# Allegro board FMDEMOD-before-back-annote.brd (continued)
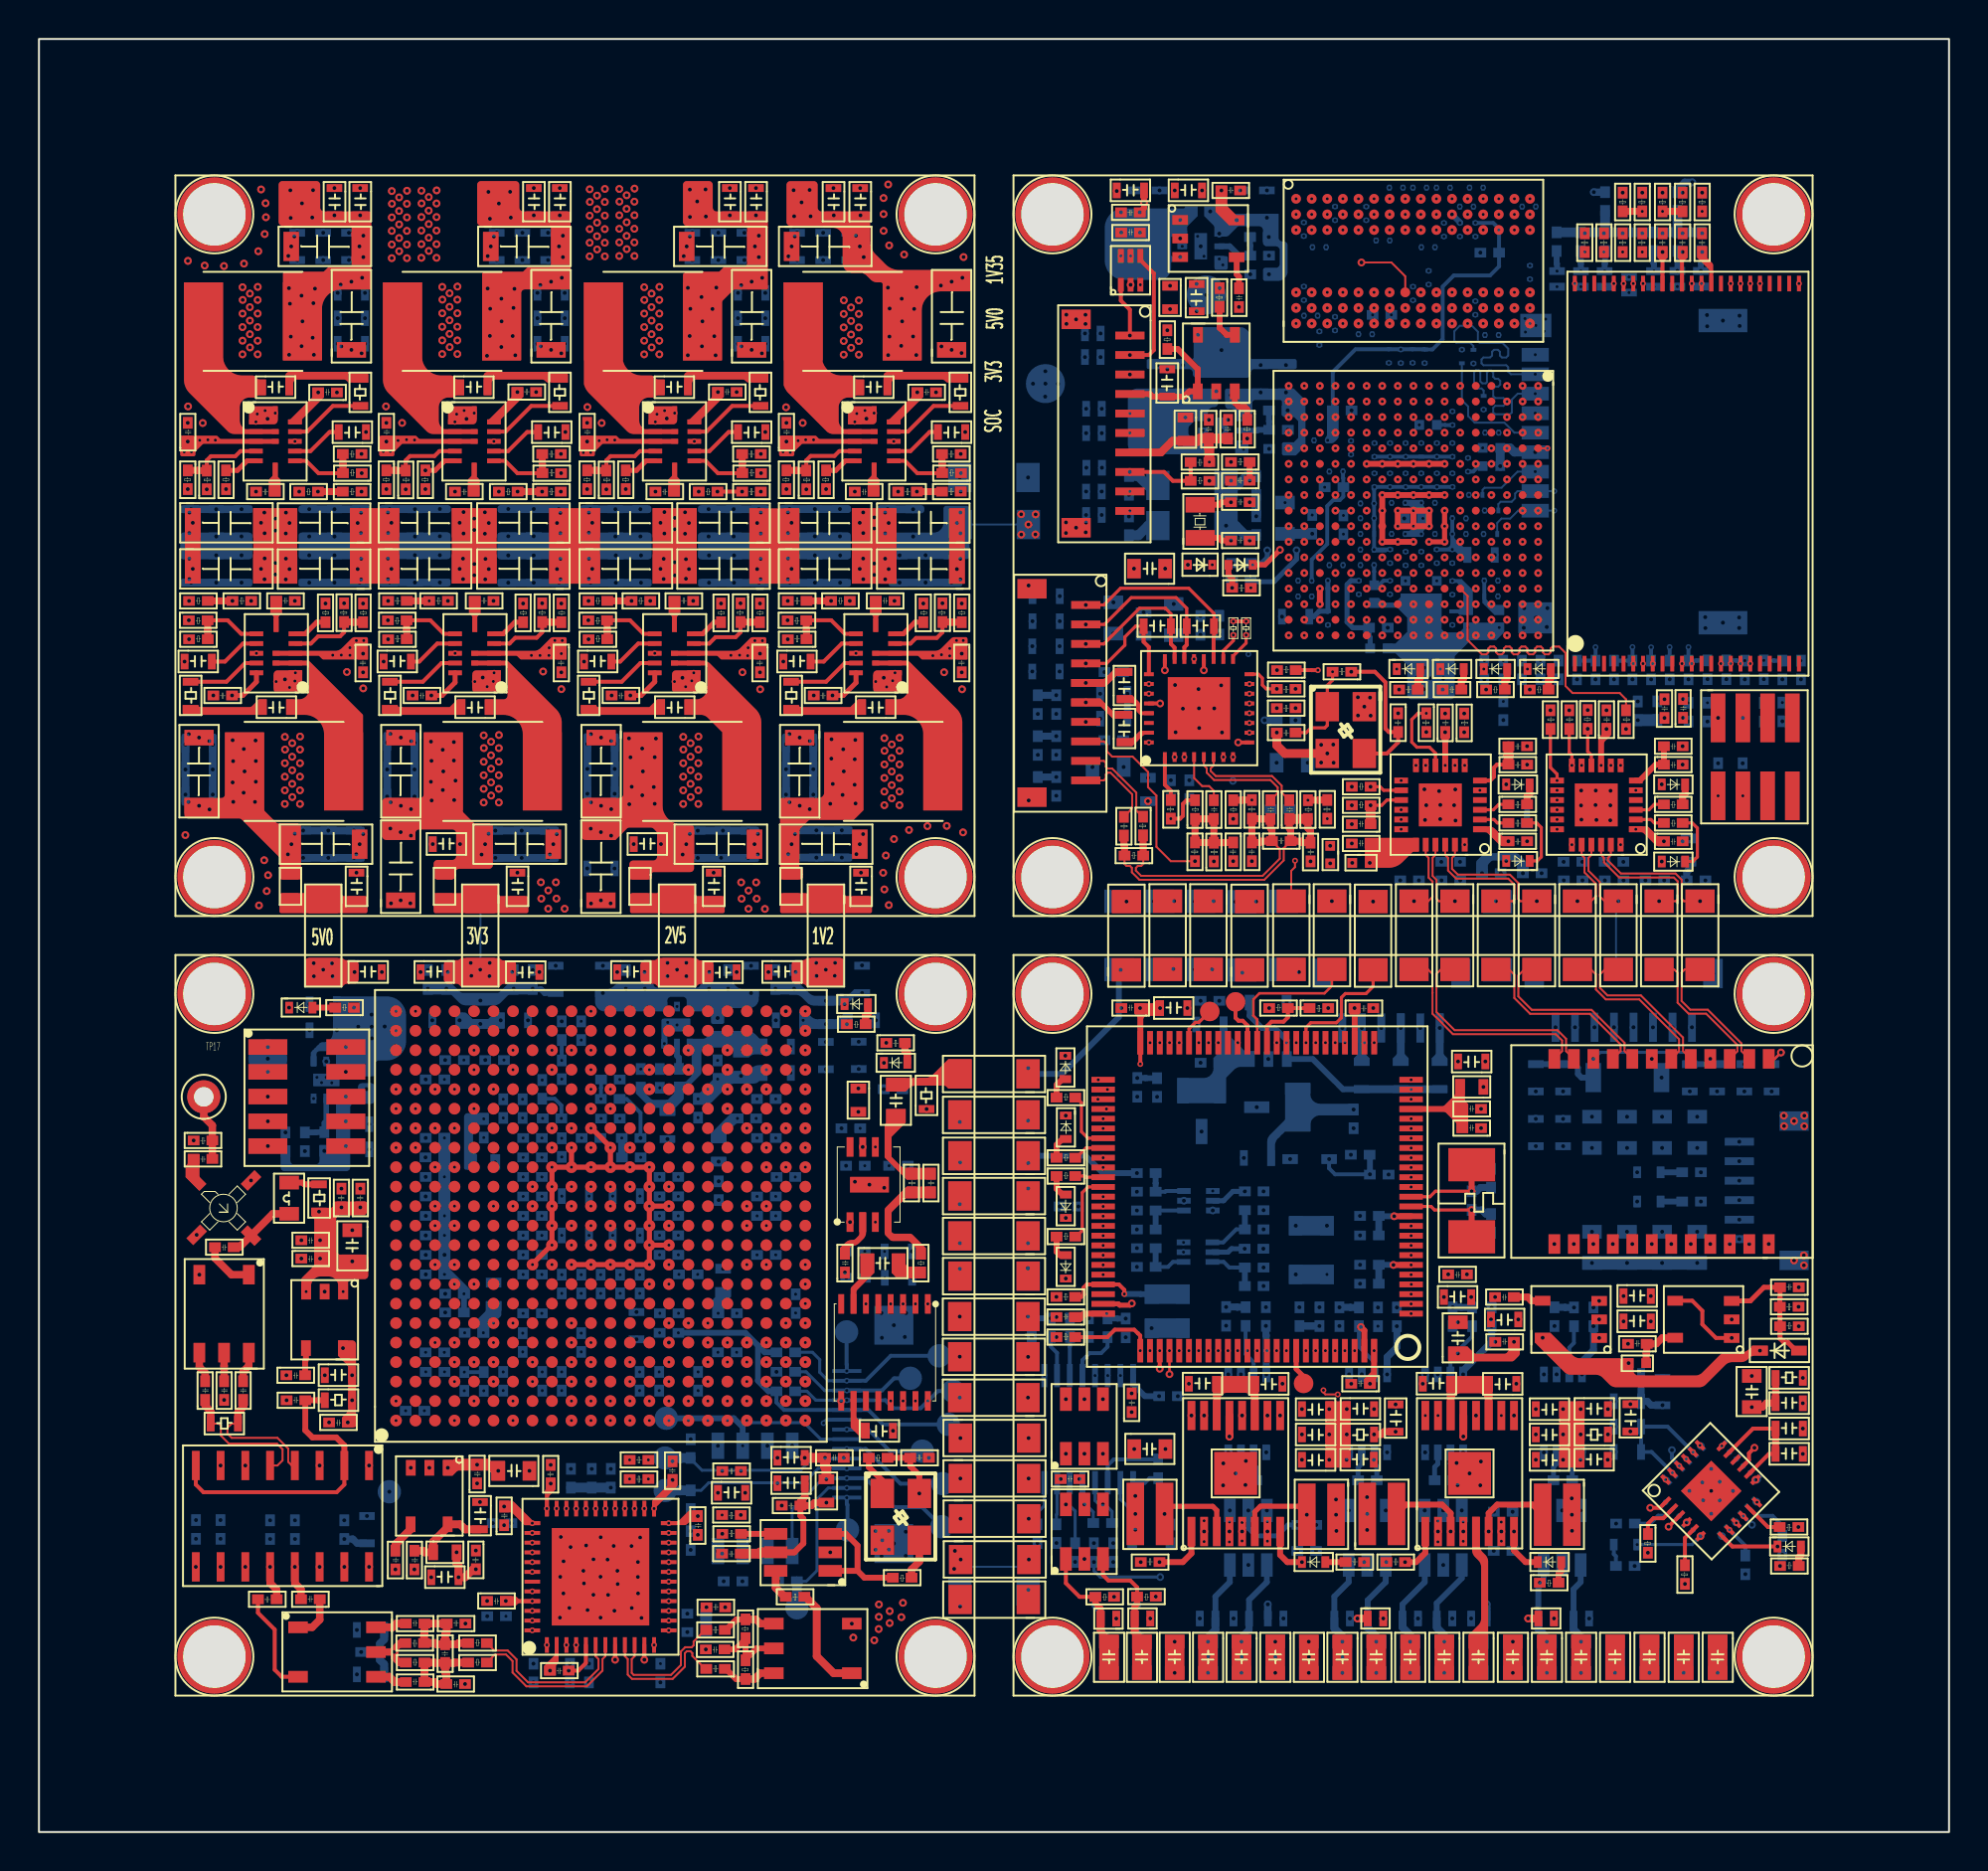
[diagram p0: board, top side]
## Routing (per net, layer and track width the routed paths; a pad name or vN(x,y) marks a point on that pad's centre or on a via; arc(x,y) is an arc through that point) (continued)
  SIGNAL-L3 w0.2: v8(59.31,49.81) 56.44,49.81 55.8,49.17 v8(55.8,47.74)
MIC1P: length 2.8
  TOP w0.1: C175.2 60.28,53.42 60.04,53.66 59.68,53.66 59.27,54.08 U24.4
MIC2N: length 5.6
  TOP w0.1: U24.5 59.77,54.73 59.91,54.58 59.91,54.35 60.29,53.98 63.18,53.98 63.56,53.6 63.56,53.31 C188.2
MIC2N_IN: length 4.8
  TOP w0.1: J13.9 54.64,54.96 54.74,54.86 54.74,54.66 54.84,54.56 55.07,54.56 56.3,53.33 56.3,52.41 56.62,52.1 R325.1
MIC2N_IN2: length 15.4
  TOP w0.1: C182.2 63.66,50.44 63.66,49.94 62.78,49.06 56.55,49.06 56.28,49.33 56.28,49.47 56.38,49.57 56.56,49.57 56.66,49.67 R324.1
  TOP w0.36: R325.2 56.65,50.66 56.66,50.65 R324.1 ; C189.1 R193.2 62.66,51.99 62.67,51.98 C188.1 63.19,51.51 63.26,51.43 C182.2 62.73,50.84 62.66,50.77 C189.1
MIC2P: length 5.6
  TOP w0.1: U24.6 60.27,54.73 60.12,54.58 60.12,54.44 60.38,54.18 63.27,54.18 63.76,53.69 63.76,53.34 C179.2
MIC2P_IN: length 4.5
  TOP w0.1: J13.10 54.64,53.96 54.74,54.06 54.74,54.26 54.84,54.36 54.98,54.36 56.09,53.24 56.09,52.51 55.99,52.41 55.99,52.41 R326.2
MIC2P_IN2: length 16.1
  TOP w0.1: R324.2 55.7,49.67 55.8,49.57 55.98,49.57 56.08,49.47 56.08,49.24 56.46,48.86 62.87,48.86 63.86,49.85 63.86,50.48 C182.1
  TOP w0.36: R324.2 55.7,50.62 55.66,50.65 R326.1 ; R187.1 65.11,51.51 65.24,51.37 C177.2 64.81,50.76 64.74,50.84 C182.1 64.22,51.44 64.15,51.51 C179.1
  TOP w0.5: C179.1 R187.1
MICBIAS: length 2.3
  TOP w0.2: R185.1 58.07,53.43 57.77,53.73 U24.1
MSEL0: length 2.7
  SIGNAL-L3 w0.15: v5(29.9,35.61) 29.9,36.05 29.32,36.63 v9(29.32,37.11)
  BOTTOM w0.38: R376.2 29.9,34.62 v5(29.9,35.61)
MSEL1: length 1.7
  SIGNAL-L3 w0.2: v5(28.83,37.62) 28.82,37.62 v9(28.32,38.11)
  BOTTOM w0.2: v5(28.83,37.62) 28.83,38.18 28.84,38.19 R379.2
MSEL2: length 3.5
  SIGNAL-L3 w0.2: v5(26.8,36.62) 27.38,36.62 27.88,37.11 v9(28.32,37.11)
  BOTTOM w0.2: R380.1 26.46,37.62 26.8,37.28 v5(26.8,36.62)
MSEL3: length 1.8
  SIGNAL-L3 w0.2: v9(27.32,40.11) 27.32,40.1 26.82,39.6 v5(26.82,39.59)
  BOTTOM w0.2: v5(26.82,39.59) 26.82,40.07 26.82,40.07 R383.2
NAND_ALE: length 27.1
  SIGNAL-L4 w0.1: v15(86.8,59.95) 86.41,59.56 85.96,59.56 85.73,59.8 85.73,67.9 85.48,68.14 85.48,68.29 85.61,68.42 85.61,68.56 85.47,68.7 85.33,68.7 84.92,68.29 84.78,68.29 84.64,68.44 84.64,68.58 85.05,68.99 85.05,69.13 84.91,69.27 84.76,69.27 84.36,68.86 84.21,68.86 84.07,69 84.07,69.14 84.48,69.55 84.48,69.69 84.34,69.83 84.2,69.83 83.79,69.43 83.65,69.43 83.51,69.57 83.51,69.71 83.92,70.12 83.92,70.26 83.77,70.4 83.63,70.4 83.22,69.99 83.08,69.99 82.94,70.13 82.94,70.27 83.35,70.68 83.35,70.82 83.21,70.97 83.07,70.97 82.66,70.56 82.52,70.56 82.38,70.7 82.38,70.84 82.51,70.97 82.51,71.11 82.24,71.38 76.54,71.38 v15(76.12,71.8)
NAND_CLE: length 27.8
  SIGNAL-L4 w0.1: v15(86.3,59.95) 86.3,61.34 86.96,61.99 86.96,62.48 86.86,62.58 86.4,62.58 86.3,62.68 86.3,62.88 86.4,62.98 86.86,62.98 86.96,63.08 86.96,63.28 86.86,63.38 86.4,63.38 86.3,63.48 86.3,63.68 86.4,63.78 86.86,63.78 86.96,63.88 86.96,64.08 86.86,64.18 86.4,64.18 86.3,64.28 86.3,64.48 86.4,64.58 86.86,64.58 86.96,64.68 86.96,64.88 86.86,64.98 86.4,64.98 86.3,65.08 86.3,65.28 86.4,65.38 86.86,65.38 86.96,65.48 86.96,65.68 86.86,65.78 86.4,65.78 86.3,65.88 86.3,66.08 86.4,66.18 86.86,66.18 86.96,66.28 86.96,66.48 86.86,66.58 86.4,66.58 86.3,66.68 86.3,66.88 86.4,66.98 86.86,66.98 86.96,67.08 86.96,67.28 86.86,67.38 86.4,67.38 86.3,67.48 86.3,67.68 86.4,67.78 86.86,67.78 86.96,67.88 86.96,68.08 86.86,68.18 86.4,68.18 86.3,68.28 86.3,68.78 83.28,71.8 v15(76.92,71.8)
NAND_D0: length 28
  SIGNAL-L3 w0.1: v9(88.3,79.45) 88.3,78.71 88.4,78.61 89.13,78.61 89.23,78.51 89.23,78.31 89.13,78.21 88.4,78.21 88.3,78.11 88.3,77.91 88.4,77.81 89.13,77.81 89.23,77.71 89.23,77.51 89.13,77.41 88.4,77.41 88.3,77.31 88.3,77.11 88.4,77.01 89.13,77.01 89.23,76.91 89.23,76.71 89.13,76.61 88.4,76.61 88.3,76.51 88.3,76.31 88.4,76.21 89.13,76.21 89.23,76.11 89.23,75.91 89.13,75.81 88.4,75.81 88.3,75.71 88.3,74.8 81.93,68.43 76.26,68.43 75.66,69.02 74.9,69.02 v9(74.52,69.4)
NAND_D1: length 28.1
  SIGNAL-L3 w0.1: v9(76.12,69.4) 76.66,68.86 80.56,68.86 81.18,69.49 81.32,69.49 81.47,69.34 81.61,69.34 81.75,69.48 81.75,69.62 81.32,70.06 81.32,70.2 81.46,70.34 81.6,70.34 82.03,69.9 82.18,69.9 82.32,70.05 82.32,70.19 81.88,70.62 81.88,70.76 82.02,70.9 82.17,70.9 82.31,70.76 82.45,70.76 83.19,71.49 83.19,71.64 83,71.82 83,71.96 83.14,72.11 83.28,72.11 83.8,71.59 83.94,71.59 84.08,71.73 84.08,71.87 83.57,72.39 83.57,72.53 83.71,72.67 83.85,72.67 84.37,72.16 84.51,72.16 84.65,72.3 84.65,72.44 84.13,72.95 84.13,73.1 84.27,73.24 84.42,73.24 84.93,72.72 85.07,72.72 85.22,72.86 85.22,73 84.7,73.52 84.7,73.66 84.84,73.8 84.98,73.8 85.5,73.29 85.64,73.29 85.78,73.43 85.78,73.57 85.26,74.09 85.26,74.23 85.41,74.37 85.55,74.37 85.74,74.18 85.88,74.18 87.79,76.09 87.79,78.68 87.8,78.69 v9(87.8,79.45)
NAND_D2: length 28.6
  SIGNAL-L3 w0.1: v9(76.92,69.4) 79.59,69.4 80.31,70.12 80.31,70.26 80.04,70.53 80.04,70.67 80.19,70.81 80.33,70.81 80.59,70.54 80.73,70.54 80.88,70.69 80.88,70.83 80.61,71.09 80.61,71.23 80.75,71.38 80.89,71.38 81.16,71.11 81.3,71.11 81.44,71.25 81.44,71.39 81.18,71.66 81.18,71.8 81.32,71.94 81.46,71.94 81.72,71.68 81.87,71.68 82.11,71.92 82.11,72.06 81.78,72.39 81.78,72.53 81.92,72.67 82.06,72.67 82.39,72.34 82.53,72.34 82.67,72.48 82.67,72.62 82.34,72.96 82.34,73.1 82.48,73.24 82.62,73.24 82.96,72.91 83.1,72.91 83.53,73.34 83.53,73.49 83.15,73.87 83.15,74.01 83.29,74.15 83.43,74.15 83.82,73.77 83.96,73.77 84.18,73.99 84.18,74.14 83.11,75.21 83.11,75.35 83.26,75.49 83.4,75.49 84.47,74.42 84.61,74.42 85.36,75.17 85.36,75.31 84.83,75.83 84.83,75.97 84.97,76.11 85.12,76.11 85.64,75.59 85.78,75.59 85.92,75.73 85.92,75.87 85.4,76.4 85.4,76.54 85.54,76.68 85.68,76.68 86.2,76.16 86.35,76.16 87.3,77.11 v9(87.3,79.45)
NAND_D3: length 27.8
  SIGNAL-L3 w0.1: v9(86.8,79.45) 86.8,78.66 85.95,77.81 85.94,77.81 85.84,77.71 85.84,77.23 85.74,77.13 85.54,77.13 85.44,77.23 85.44,77.71 85.34,77.81 85.14,77.81 85.04,77.71 85.04,77.23 84.94,77.13 84.74,77.13 84.64,77.23 84.64,77.71 84.54,77.81 84.34,77.81 84.24,77.71 84.24,77.23 84.14,77.13 83.94,77.13 83.84,77.23 83.84,77.71 83.74,77.81 83.51,77.81 83.33,77.63 83.18,77.63 82.78,78.03 82.64,78.03 82.5,77.89 82.5,77.74 82.9,77.34 82.9,77.2 82.76,77.06 82.62,77.06 82.22,77.46 82.08,77.46 81.94,77.32 81.94,77.18 82.34,76.78 82.34,76.5 82.44,76.4 84.07,76.4 84.17,76.3 84.17,76.1 84.07,76 82.6,76 82.34,75.74 82.34,73.99 78.16,69.81 74.91,69.81 v9(74.52,70.2)
NAND_D4: length 28.4
  SIGNAL-L7 w0.1: v13(82.3,79.45) 82.3,79.12 82.64,78.79 82.97,78.79 83.21,78.54 83.21,77.77 83.52,77.45 83.52,77.12 83.62,77.02 83.94,77.02 84.04,76.92 84.04,76.72 83.94,76.62 83.76,76.62 83.66,76.52 83.66,76.32 83.76,76.22 84.07,76.22 84.17,76.12 84.17,75.92 84.07,75.82 83.73,75.82 83.63,75.72 83.63,75.52 83.73,75.42 84.07,75.42 84.17,75.32 84.17,75.12 84.07,75.02 83.62,75.02 83.52,74.92 83.52,74.72 83.62,74.62 84.07,74.62 84.17,74.52 84.17,74.32 84.07,74.22 83.62,74.22 83.52,74.12 83.52,73.92 83.62,73.82 84.07,73.82 84.17,73.72 84.17,73.52 84.07,73.42 83.62,73.42 83.52,73.32 83.52,73.12 83.62,73.02 84.07,73.02 84.17,72.92 84.17,72.72 84.07,72.62 83.62,72.62 83.52,72.52 83.52,72.32 83.62,72.22 84.07,72.22 84.17,72.12 84.17,71.92 84.07,71.82 83.62,71.82 83.52,71.72 83.52,71.06 83.13,70.67 82.99,70.67 82.78,70.87 82.64,70.87 82.5,70.73 82.5,70.59 83.05,70.04 83.05,69.9 82.91,69.76 82.77,69.76 82.22,70.31 82.08,70.31 81.93,70.17 81.93,70.03 82.14,69.82 82.14,69.68 81.42,68.97 78.45,68.97 78.12,69.31 77.5,69.31 77.13,68.93 75.99,68.93 75.77,69.15 75.77,69.15 75.32,69.6 v13(75.32,70.2)
NAND_D5: length 28.8
  SIGNAL-L7 w0.1: v13(81.8,79.45) 81.8,79.23 82.02,79.01 82.02,78.75 81.8,78.53 81.8,77.72 81.9,77.62 82.64,77.62 82.74,77.52 82.74,77.32 82.64,77.22 81.9,77.22 81.8,77.12 81.8,76.92 81.9,76.82 82.64,76.82 82.74,76.72 82.74,76.52 82.64,76.42 81.9,76.42 81.8,76.32 81.8,76.12 81.9,76.02 82.64,76.02 82.74,75.92 82.74,75.72 82.64,75.62 81.9,75.62 81.8,75.52 81.8,75.32 81.9,75.22 82.64,75.22 82.74,75.12 82.74,74.92 82.64,74.82 81.9,74.82 81.8,74.72 81.8,74.52 81.9,74.42 82.64,74.42 82.74,74.32 82.74,74.12 82.64,74.02 81.9,74.02 81.8,73.92 81.8,73.72 81.9,73.62 82.64,73.62 82.74,73.52 82.74,73.32 82.64,73.22 81.9,73.22 81.8,73.12 81.8,72.92 81.9,72.82 82.64,72.82 82.74,72.72 82.74,72.52 82.64,72.42 81.9,72.42 81.8,72.32 81.8,72.12 81.9,72.02 82.64,72.02 82.74,71.92 82.74,71.72 82.64,71.62 81.9,71.62 81.8,71.52 81.8,71.05 80.56,69.8 77.47,69.8 77.09,69.42 76.29,69.42 76.12,69.59 v13(76.12,70.2)
NAND_D6: length 27.6
  SIGNAL-L7 w0.1: v13(76.92,70.2) 77.15,70.43 79.01,70.43 79.68,71.11 79.68,71.4 79.78,71.5 80.64,71.5 80.74,71.6 80.74,71.8 80.64,71.9 79.78,71.9 79.68,72 79.68,72.2 79.78,72.3 80.64,72.3 80.74,72.4 80.74,72.6 80.64,72.7 79.78,72.7 79.68,72.8 79.68,73 79.78,73.1 80.64,73.1 80.74,73.2 80.74,73.4 80.64,73.5 79.78,73.5 79.68,73.6 79.68,73.8 79.78,73.9 80.64,73.9 80.74,74 80.74,74.2 80.64,74.3 79.78,74.3 79.68,74.4 79.68,74.6 79.78,74.7 80.64,74.7 80.74,74.8 80.74,75 80.64,75.1 79.78,75.1 79.68,75.2 79.68,75.4 79.78,75.5 80.64,75.5 80.74,75.6 80.74,75.8 80.64,75.9 79.78,75.9 79.68,76 79.68,76.2 79.78,76.3 80.64,76.3 80.74,76.4 80.74,76.6 80.64,76.7 79.78,76.7 79.68,76.8 79.68,77 79.78,77.1 80.64,77.1 80.74,77.2 80.74,77.4 80.64,77.5 79.78,77.5 79.68,77.6 79.68,77.95 79.95,78.22 80.66,78.22 81.12,78.68 81.12,78.99 81.3,79.17 v13(81.3,79.45)
NAND_D7: length 27.2
  TOP w0.1: U19.A5 v13(77.4,71)
  SIGNAL-L7 w0.1: v13(80.8,79.45) 80.8,79.12 80.35,78.68 79.36,78.68 79.04,78.35 79.04,77.83 78.94,77.73 77.9,77.73 77.8,77.63 77.8,77.43 77.9,77.33 78.94,77.33 79.04,77.23 79.04,77.03 78.94,76.93 77.9,76.93 77.8,76.83 77.8,76.63 77.9,76.53 78.94,76.53 79.04,76.43 79.04,76.23 78.94,76.13 77.9,76.13 77.8,76.03 77.8,75.83 77.9,75.73 78.94,75.73 79.04,75.63 79.04,75.43 78.94,75.33 77.9,75.33 77.8,75.23 77.8,75.03 77.9,74.93 78.94,74.93 79.04,74.83 79.04,74.63 78.94,74.53 77.9,74.53 77.8,74.43 77.8,74.23 77.9,74.13 78.94,74.13 79.04,74.03 79.04,73.83 78.94,73.73 77.9,73.73 77.8,73.63 77.8,73.43 77.9,73.33 78.94,73.33 79.04,73.23 79.04,73.03 78.94,72.93 77.9,72.93 77.8,72.83 77.8,72.63 77.9,72.53 78.94,72.53 79.04,72.43 79.04,71.78 78.26,71 v13(77.4,71)
NAND_DQS: length 27.3
  SIGNAL-L3 w0.1: v9(73.72,70.2) 74.11,70.59 77.7,70.59 79.88,72.76 79.88,72.91 78.92,73.87 78.92,74.01 79.06,74.16 79.2,74.16 80.16,73.19 80.31,73.19 80.45,73.33 80.45,73.47 79.48,74.44 79.48,74.58 79.62,74.72 79.76,74.72 80.73,73.75 80.87,73.75 81.01,73.9 81.01,74.04 80.05,75 80.05,75.15 80.19,75.29 80.33,75.29 81.3,74.32 81.44,74.32 81.58,74.46 81.58,74.6 80.61,75.57 80.61,77.04 82.16,78.58 84.89,78.58 85.3,79 v9(85.3,79.45)
NAND_NCE0: length 30.3
  SIGNAL-L4 w0.1: v13(82.8,59.95) 82.8,60.44 83.48,61.12 83.48,61.35 83.38,61.45 82.9,61.45 82.8,61.55 82.8,61.75 82.9,61.85 83.38,61.85 83.48,61.95 83.48,62.15 83.38,62.25 82.9,62.25 82.8,62.35 82.8,65.08 82.9,65.18 83.52,65.18 83.62,65.28 83.62,65.48 83.52,65.58 82.9,65.58 82.8,65.68 82.8,65.88 82.9,65.98 83.52,65.98 83.62,66.08 83.62,66.28 83.52,66.38 82.9,66.38 82.8,66.48 82.8,66.84 82.39,67.25 82.39,67.39 82.89,67.89 82.89,68.03 82.75,68.17 82.61,68.17 82.11,67.67 81.97,67.67 81.83,67.81 81.83,67.95 82.32,68.45 82.32,68.59 82.18,68.74 82.04,68.74 81.54,68.24 81.4,68.24 81.26,68.38 81.26,68.52 81.76,69.02 81.76,69.16 81.62,69.3 81.48,69.3 80.98,68.8 80.84,68.8 80.69,68.94 80.69,69.09 81.19,69.58 81.19,69.73 81.05,69.87 80.91,69.87 80.41,69.37 80.27,69.37 79.83,69.81 75.98,69.81 75.72,70.07 75.72,70.6 v15(75.32,71)
  SIGNAL-L7 w0.1: v19(83.03,58.02) 83.03,58.45 82.89,58.59 82.49,58.59 82.17,58.92 82.17,59.37 82.49,59.69 82.54,59.69 v13(82.8,59.95)
NAND_NRDY: length 30.3
  SIGNAL-L4 w0.1: v13(81.8,59.95) 81.8,59.57 81.98,59.39 83.1,59.39 84.08,60.37 84.08,62.67 84.18,62.77 84.88,62.77 84.98,62.87 84.98,63.07 84.88,63.17 84.18,63.17 84.08,63.27 84.08,63.47 84.18,63.57 84.88,63.57 84.98,63.67 84.98,63.87 84.88,63.97 84.18,63.97 84.08,64.07 84.08,64.27 84.18,64.37 84.88,64.37 84.98,64.47 84.98,64.67 84.88,64.77 84.18,64.77 84.08,64.87 84.08,67.84 81.35,70.56 76.39,70.56 75.77,71.18 75.77,72.04 75.98,72.25 76.56,72.25 v15(76.92,72.6)
  SIGNAL-L7 w0.1: v13(81.8,59.95) 81.92,59.83 81.92,59.52 81.6,59.52 81.38,59.3 81.38,58.99 81.6,58.77 81.99,58.77 82.19,58.57 82.03,58.41 v14(82.03,58.01)
NAND_NRE: length 27.7
  SIGNAL-L4 w0.1: v15(82.3,59.95) 82.3,61.3 82.2,61.4 81.57,61.4 81.47,61.5 81.47,61.7 81.57,61.8 82.2,61.8 82.3,61.9 82.3,62.1 82.2,62.2 81.57,62.2 81.47,62.3 81.47,62.5 81.57,62.6 82.2,62.6 82.3,62.7 82.3,62.9 82.2,63 81.57,63 81.47,63.1 81.47,63.3 81.57,63.4 82.2,63.4 82.3,63.5 82.3,63.7 82.2,63.8 81.57,63.8 81.47,63.9 81.47,64.1 81.57,64.2 82.2,64.2 82.3,64.3 82.3,64.97 81.5,65.76 81.5,65.9 81.99,66.39 81.99,66.53 81.85,66.67 81.71,66.67 81.22,66.19 81.08,66.19 80.71,66.55 80.71,66.7 81.06,67.04 81.06,67.18 80.92,67.32 80.77,67.32 80.43,66.98 80.29,66.98 80.15,67.12 80.15,67.26 80.49,67.61 80.49,67.75 80.35,67.89 80.21,67.89 79.86,67.54 79.72,67.54 79.44,67.83 79.44,67.97 80,68.53 80,68.67 79.85,68.81 79.71,68.81 79.15,68.26 79.01,68.26 78.87,68.4 78.87,68.54 79.43,69.1 79.43,69.24 79.29,69.38 79.15,69.38 78.59,68.82 78.45,68.82 78.22,69.04 74.96,69.04 v15(74.52,68.6)
NAND_NWE: length 27.9
  SIGNAL-L4 w0.1: v15(75.32,68.6) 75.65,68.27 78.38,68.27 78.58,68.07 78.58,67.93 78.34,67.68 78.34,67.54 78.48,67.4 78.62,67.4 78.87,67.64 79.01,67.64 79.15,67.5 79.15,67.36 78.91,67.12 78.91,66.98 79.05,66.83 79.19,66.83 79.43,67.08 79.57,67.08 79.72,66.94 79.72,66.79 79.47,66.55 79.47,66.41 79.61,66.27 79.76,66.27 80,66.51 80.14,66.51 80.28,66.37 80.28,66.23 80.04,65.99 80.04,65.84 80.18,65.7 80.32,65.7 80.56,65.95 80.71,65.95 80.99,65.66 80.99,65.13 81.09,65.03 81.72,65.03 81.82,64.93 81.82,64.73 81.72,64.63 81.09,64.63 80.99,64.53 80.99,63.33 80.81,63.14 80.81,63 80.94,62.87 81.05,62.87 81.1,62.82 81.1,62.53 81.05,62.47 80.94,62.47 80.88,62.42 80.88,62.13 80.94,62.07 81.05,62.07 81.1,62.02 81.1,61.73 81.05,61.67 80.94,61.67 80.88,61.62 80.88,61.33 80.94,61.27 81.05,61.27 81.1,61.22 81.1,60.93 81.05,60.87 80.94,60.87 80.88,60.82 80.88,60.53 80.94,60.47 81.05,60.47 81.1,60.42 81.1,60.13 80.99,60.02 80.99,59.38 81.77,58.6 81.91,58.6 81.92,58.59 82.35,58.59 82.45,58.69 82.45,58.86 82.55,58.96 82.75,58.96 82.85,58.86 82.85,58.69 82.95,58.59 83.15,58.59 83.25,58.69 83.25,58.86 83.35,58.96 83.55,58.96 83.65,58.86 83.65,58.69 83.75,58.59 86.77,58.59 87.3,59.12 v15(87.3,59.95)
NAND_NWP: length 26.6
  SIGNAL-L4 w0.1: 87.54,58.38 87.42,58.26 85.42,58.26 84.89,57.72 84.13,57.72 84.12,57.71 81.83,57.71 80.39,59.15 80.39,64.85 77.86,67.39 75.55,67.39 74.79,68.16 74.13,68.16 73.95,68.33 73.95,68.84 74.52,69.4 v15(74.52,71) ; 87.54,58.38 87.8,58.64 v15(87.8,59.95) ; 87.54,58.38 v23(87.54,57.94)
NCE: length 26.7
  SIGNAL-L4 w0.1: v15(28.32,23.11) 28.62,23.41 35.67,23.41 37.23,21.85 37.23,19.46 38.02,18.67 40.64,18.67 41.12,19.16 v23(41.45,19.16)
  BOTTOM w0.15: R232.1 33.44,19.14 34.02,18.56 39.08,18.56 39.67,19.16 v23(41.45,19.16)
  BOTTOM w0.5: TP36.1 32.9,19.19 32.9,19.19 R232.1
NCONFIG: length 36.3
  SIGNAL-L8 w0.1: v17(27.32,25.11) 26.72,25.71 26.72,26.74 27.32,27.34 40.38,27.34 42.93,24.79 42.93,19.5 42.08,18.66 v7(41.45,18.66)
  BOTTOM w0.15: R230.1 33.97,17.53 34.36,17.92 39.24,17.92 39.98,18.66 v7(41.45,18.66)
  BOTTOM w0.5: R230.1 32.91,17.53 32.91,17.52 TP37.1
NCSO: length 32.3
  SIGNAL-L8 w0.1: v7(41.45,18.16) 35.19,18.16 33.68,19.67 27.19,19.67 25.01,21.85 22.58,21.85 v17(22.32,22.11)
  BOTTOM w0.15: v7(41.45,18.16) 40.25,18.16 38.65,16.55 U35.1
  BOTTOM w0.2: TP38.1 45.31,16.67 43.89,16.67 42.4,18.16 v7(41.45,18.16)
NFAULT12: length 14.5
  TOP w0.3: v10(64.8,13.85) 64.05,13.85 63.68,14.22 U7.8
  SIGNAL-L4 w0.1: v15(62,24.7) 62,24.2 64.38,21.82 64.38,15.32 64.8,14.91 v10(64.8,13.85)
NFAULT34: length 22
  TOP w0.3: v10(75.68,15.42) 75.68,14.44 76.27,13.85 D13.1
  SIGNAL-L4 w0.1: v15(63,24.7) 63,24.37 65.49,21.88 65.49,19.14 66.34,18.29 68.88,18.29 69.72,17.44 69.72,16.43 71.29,14.87 75.5,14.87 75.68,15.04 v10(75.68,15.42)
NRST_CPU: length 29
  TOP w0.3: R133.1 v18(62.12,69.34)
  SIGNAL-L3 w0.1: v8(68.45,47.74) 68.45,48.43 67.97,48.91 67.15,48.91 66.75,49.31 66.75,52.74 65.09,54.4 65.09,60.85 65.35,61.11 65.35,65.88 65.96,66.48 65.96,68.04 v13(66.52,68.6)
  SIGNAL-L7 w0.1: v13(66.52,68.6) 66.09,69.03 63.15,69.03 62.85,69.34 v18(62.12,69.34)
NRST_FPGA: length 9.8
  SIGNAL-L3 w0.1: 46.87,27.95 39.81,27.95 39.65,28.11 v9(39.32,28.11) ; 46.87,27.95 46.87,26.82 v8(47.24,26.45) ; 46.87,27.95 47.03,27.95 v12(47.26,28.17)
NRST_MCU: length 39.6
  SIGNAL-L3 w0.1: v9(70.4,33.1) 68.94,33.1 68.56,33.48 68.55,33.48 v12(68.29,33.75)
  SIGNAL-L4 w0.1: v10(50.74,28.93) 51.32,28.93 53.78,31.39 53.78,34.75 54.37,35.34 65.38,35.34 v16(66.19,34.53)
  SIGNAL-L8 w0.1: v12(68.29,33.75) 74.51,39.96 v6(74.51,44.24)
  BOTTOM w0.2: v12(68.29,33.75) 66.5,33.75 66.19,34.05 v16(66.19,34.53)
  BOTTOM w0.3: v12(68.29,33.75) 68.29,34.73 C5.2
  vias: v21(75.12,44.23)
NSLEEP12: length 18.9
  TOP w0.3: v10(57.49,13.85) 58.69,13.85 59.13,14.29 U7.1
  SIGNAL-L4 w0.1: v15(54.6,28.6) 55.17,28.02 55.17,19.52 57.03,17.66 57.03,14.31 v10(57.49,13.85)
NSLEEP34: length 17.7
  TOP w0.3: v10(70.09,13.85) 70.65,13.85 71.13,14.33 U14.1
  SIGNAL-L4 w0.1: v10(70.09,13.85) 70.09,14.63 68.86,15.87 68.86,17.2 68.16,17.9 65.85,17.9 65.07,18.68 65.07,21.71 62.5,24.27 v15(62.5,24.7)
NSTATUS: length 0.7
  SIGNAL-L8 w0.1: v7(27.82,25.59) 27.55,25.87 27.55,25.88 v17(27.32,26.11)
NVCC_CSI: length 1.4
  PWR-L6 w0.3: v2(72.52,72.19) 72.91,71.8 v1(72.92,71.8)
  BOTTOM w0.2: v2(72.52,72.19) 72.16,72.19 72.15,72.2 L24.2
NVCC_ENET: length 0.6
  PWR-L6 w0.2: v2(72.52,64.19) 72.52,64.2 v1(72.92,64.6)
NVCC_GPIO: length 1.1
  PWR-L6 w0.2: v2(70.11,64.2) 70.12,64.2 v1(70.52,64.6) 70.13,64.99 v2(70.12,64.99)
NVCC_LCD: length 0.6
  PWR-L6 w0.2: v2(74.16,64.2) 73.76,64.6 v1(73.72,64.6)
NVCC_NAND: length 1.4
  PWR-L6 w0.26: v1(73.72,69.4) 73.32,69.8 v2(73.32,69.8)
  BOTTOM w0.2: L26.2 73.86,70.08 73.58,69.8 v2(73.32,69.8)
NVCC_SD: length 1.9
  PWR-L6 w0.3: v1(75.32,71.8) v2(74.89,71.8) 74.37,71.8 74.07,71.5 v2(74.07,71.02)
NVCC_UART: length 1.1
  PWR-L6 w0.2: v2(70.92,64.99) 70.93,64.99 v1(71.32,64.6) 71.72,64.2 v2(71.72,64.2)
ODT0: length 13.9
  SIGNAL-L3 w0.1: v9(71.7,77.4) 72.03,77.08 72.03,75.97 70.94,74.89 70.94,73.19 70.74,72.99 70.25,72.99 70.09,72.83 70.09,71.28 70.02,71.21 70.02,71.16 70.05,71.14 70.05,70.86 70.02,70.84 70.02,70.68 69.93,70.59 68,70.59 67.7,70.89 67.7,73.82 v9(67.32,74.2)
ODT1: length 4.5
  SIGNAL-L8 w0.1: v17(70.9,77.4) 70.9,76.65 71.16,76.39 71.96,76.39 72.17,76.19 72.17,75.29 72.92,74.54 v17(72.92,74.2)
OSCIN: length 5.6
  TOP w0.16: U3.12 71.43,32.1 71.61,31.92 v20(73.51,31.92)
  TOP w0.3: v20(73.51,31.92) 73.51,30.54 Y1.2
  BOTTOM w0.36: C1.2 74.23,31.71 74.02,31.92 v20(73.51,31.92)
OSCOUT: length 5.7
  TOP w0.16: U3.13 71.37,32.6 71.65,32.88 v20(73.51,32.88)
  TOP w0.3: Y1.1 73.51,34.24 v20(73.51,32.88)
  BOTTOM w0.36: C2.2 74.06,33.07 74.06,33.07 73.96,33.07 73.77,32.88 v20(73.51,32.88)
PHY1_3V3: length 2
  PWR-L6 w0.26: v4(78.22,49.78) 78.65,50.2 v1(78.65,50.66)
  BOTTOM w0.36: v4(84.63,49.78) 84.63,49.35 84.54,49.26 v4(84.54,48.83)
  vias: v1(81.93,51.45) v3(83.37,50.83) v4(78.23,48.83) v4(80.34,48.83) v4(82.42,48.83)
PHY2_3V3: length 1
  TOP w0.1: v3(68.28,49.73) 68.28,50.15 68.32,50.19 C108.1
  vias: v3(75.39,50.84) v4(69.84,48.83) v4(71.96,48.83) v4(74.04,49.2) v4(76.14,49.2)
PHY_UART_RX1: length 15.6
  SIGNAL-L4 w0.127: v16(50.94,25.4) 50.94,20.76 50.77,20.6 v10(50.77,20.21) 50.77,19.52 51.51,18.79 54.56,18.79 55.56,17.79 55.56,14.29 v16(55.12,13.85)
PMIC_ON_REQ: length 16.8
  SIGNAL-L3 w0.1: v9(64.92,67.8) 64.52,68.2 64.52,69.61 64.34,69.78 62.8,69.78 62.69,69.89 58.42,69.89 57.49,70.82 52.91,70.82 51.59,69.5 v12(50.75,69.5)
POWER_GOOD: length 38.2
  TOP w0.2: v8(34.81,68.78) v8(36.08,68.78)
  TOP w0.25: v8(19.83,69.86) 20.33,69.86 20.82,70.35 U611.5
  TOP w0.36: R4504.1 v8(45.04,68.78)
  SIGNAL-L3 w0.2: 45.03,69.39 45.57,69.92 45.57,70.72 44.93,71.35 v9(43.86,71.35) ; 45.03,69.39 36.69,69.39 v8(36.08,68.78) ; 45.03,69.39 45.04,69.38 v8(45.04,68.78) ; v8(19.83,69.86) 20.25,69.86 20.46,69.66 20.46,68.52 20.66,68.32 34.36,68.32 v8(34.81,68.78) 34.81,69.2 35.26,69.65 35.26,70.85 34.76,71.35 v9(33.62,71.35)
PT100-1: length 1.4
  SIGNAL-L4 w0.2: v16(67.87,41.25) 67.87,40.83 67.55,40.5 v15(67.01,40.5)
PT100-2: length 4.9
  SIGNAL-L4 w0.2: v16(69.87,41.25) 69.87,40.73 68.86,39.72 66.84,39.72 66.51,40.05 v15(66.51,40.5)
PT100-3: length 7.4
  SIGNAL-L4 w0.2: v15(66.01,40.5) 66.01,41.32 66.33,41.65 67.56,41.65 67.8,41.89 71.66,41.89 71.87,41.68 v16(71.87,41.25)
RAS: length 9.8
  SIGNAL-L4 w0.1: v15(70.9,79) 70.51,78.61 70.51,77.07 69.67,76.22 69.12,76.22 67.69,74.8 67.69,71.43 v15(68.12,71)
RSSI: length 12.9
  SIGNAL-L4 w0.2: v16(9.31,16) 9.74,16 11.49,14.25 16.29,14.25 v10(16.94,13.61)
  SIGNAL-L4 w0.3: v10(16.94,13.61) 17.98,14.64 v16(17.98,17.46)
RST_B: length 13.1
  SIGNAL-L8 w0.1: v7(76.5,79.67) v17(76.5,78.2) 76.5,77.83 77.52,76.81 77.52,73.36 75.56,71.41 72.52,71.41 v17(72.12,71.8)
SAI2_BCLK: length 12.4
  SIGNAL-L4 w0.1: v15(62.11,57.41) 62.45,57.41 62.93,56.93 62.93,56.16 63.22,55.86 64.08,55.86 65.95,57.73 65.95,58.47 66.05,58.57 66.33,58.57 66.43,58.67 66.43,58.83 66.33,58.93 66.05,58.93 65.95,59.03 65.95,60.83 66.11,60.99 66.25,60.99 66.53,60.71 66.67,60.71 66.82,60.85 66.82,60.99 66.53,61.27 66.53,61.41 v15(67.32,62.2)
SAI2_MCLK: length 14
  SIGNAL-L4 w0.1: v15(66.52,63.8) 66.89,63.43 67.41,63.43 67.75,63.09 67.75,61.01 66.86,60.12 66.86,57.72 64.61,55.47 63.08,55.47 62.55,56 62.55,56.79 62.43,56.91 v15(62.11,56.91)
SAI2_RXD: length 13.7
  TOP w0.16: v10(63.51,58.66) 62.97,58.66 62.77,58.85 62.77,59.2 62.56,59.41 U24.16
  SIGNAL-L4 w0.1: v10(63.51,58.66) 62.97,59.2 62.97,59.84 63.15,60.02 63.15,63.73 63.59,64.17 65.23,64.17 66.05,65 67.55,65 67.73,64.81 67.73,64.19 v15(68.12,63.8)
SAI2_SYNC: length 12.2
  SIGNAL-L4 w0.1: v15(62.11,57.91) 62.43,57.91 62.43,57.91 62.53,57.91 63.36,57.08 64.63,57.08 65.33,57.78 65.33,61.01 65.67,61.35 65.67,61.49 65.33,61.83 65.33,61.97 65.47,62.11 65.61,62.11 65.95,61.77 66.09,61.77 66.23,61.91 66.23,62.06 65.89,62.4 65.89,62.54 66.03,62.68 66.18,62.68 66.52,62.34 66.66,62.34 v15(67.32,63)
SAI2_TXD: length 12.1
  SIGNAL-L4 w0.1: v15(67.32,63.8) 66.93,64.19 66.34,64.19 66.13,63.99 66.13,63.62 65.94,63.43 63.9,63.43 63.59,63.12 63.59,61.37 64.49,60.48 64.49,58.6 64.05,58.16 62.86,58.16 62.61,58.41 v15(62.11,58.41)
SD1_CD: length 27.7
  PWR-L6 w0.22: v2(77.89,80.09) 77.89,76.58 77.11,75.8 v2(76.77,75.8)
  SIGNAL-L7 w0.1: v13(70.52,63.8) 70.52,63.46 71.65,62.34 71.65,62.32 71.71,62.27 71.71,61.08 71.93,60.86 73.37,60.86 73.74,61.23 73.74,62.51 73.26,62.99 73.26,67.85 74.82,69.41 74.82,70.51 76.32,72.01 76.32,75.35 v2(76.77,75.8)
  BOTTOM w0.3: v2(77.89,80.09) 77.89,80.47 77.87,80.49 R159.2
SD1_CLK: length 8.5
  SIGNAL-L4 w0.1: v15(75.32,74.2) 75.32,73.72 75.22,73.62 75.04,73.62 74.94,73.72 74.94,74.57 74.84,74.67 74.64,74.67 74.57,74.61 74.57,73.84 74.47,73.74 74.17,73.74 74.07,73.84 74.07,74.61 73.97,74.71 73.72,74.71 73.64,74.63 73.64,73.79 73.54,73.69 73.44,73.69 73.34,73.79 73.34,74.7 73.01,75.03 v23(73.01,76.06)
SD1_CMD: length 13.8
  SIGNAL-L3 w0.1: v5(73.37,68.61) 72.72,68.61 72.62,68.71 72.62,68.85 72.89,69.12 72.89,69.3 72.79,69.4 72.1,69.4 72,69.5 72,69.71 72.07,69.78 72.46,69.78 72.56,69.88 72.82,69.88 72.92,69.98 72.92,70.13 72.82,70.23 72.59,70.23 72.49,70.33 72.49,70.48 72.59,70.58 72.92,70.58 73.02,70.68 73.02,70.8 72.92,70.9 72.06,70.9 71.91,71.05 71.91,71.25 72.05,71.39 73.3,71.39 73.71,71.81 74.54,71.81 74.95,72.22 76.38,72.22 76.57,72.4 76.57,72.87 76.41,73.03 75.69,73.03 v9(75.32,73.4)
SD1_DATA0: length 4.9
  SIGNAL-L4 w0.1: v23(74.12,72.98) 73.31,72.98 73.17,72.84 73.17,72.27 73.38,72.05 74.07,72.05 74.62,72.6 v15(76.12,72.6)
SD1_DATA1: length 4
  SIGNAL-L4 w0.1: v23(73.6,75.35) 75.38,75.35 76.12,74.61 v15(76.12,73.4)
SD1_DATA2: length 13.7
  SIGNAL-L3 w0.1: v9(76.12,74.2) 76.05,74.2 75.64,73.79 75.16,73.79 74.89,73.52 74.89,72.98 74.17,72.27 71.94,72.27 71.7,72.03 71.7,71.57 71.55,71.42 71.19,71.42 70.89,71.11 70.89,69.68 71.7,68.86 71.7,68.46 71.97,68.19 72.38,68.19 72.86,67.72 72.86,67.04 73.3,66.6 v5(74.12,66.6)
SD1_DATA3: length 11.9
  SIGNAL-L3 w0.1: v9(76.92,73.4) 77.27,73.4 77.57,73.1 78.54,73.1 78.64,73 78.64,72.8 78.54,72.7 77.57,72.7 77.47,72.6 77.47,71.79 77.13,71.44 74.15,71.44 73.33,70.63 73.33,69.22 74.17,68.38 v5(74.17,67.81)
SDQS0N: length 22.9
  SIGNAL-L7 w0.1: v13(69.3,79) 69,78.7 69,78.23 v19(69.38,77.84) 69.2,77.84 69.02,77.67 69.02,77.16 69.35,76.83 69.35,76.32 69.14,76.11 68.02,76.11 67.51,75.61 67.51,75.06 67.86,74.71 68.1,74.71 68.45,74.36 68.45,74.02 68.38,73.94 68.38,73.75 68.55,73.58 68.55,73.22 68.41,73.09 68.41,72.91 68.55,72.78 68.55,72.42 68.35,72.23 68.35,71.25 68.14,71.04 68.14,70.01 68.91,69.25 68.91,68.92 68.67,68.68 68.67,68.46 68.88,68.25 68.88,68.03 68.68,67.83 68.25,67.83 68.14,67.72 68.14,67.45 67.67,66.99 65.64,66.99 65.38,67.26 65.38,67.9 65.56,68.08 66.94,68.08 67.14,68.28 67.14,69.26 67,69.4 v13(66.52,69.4)
